# KiCad board ClockIOT.kicad_pcb (continued)
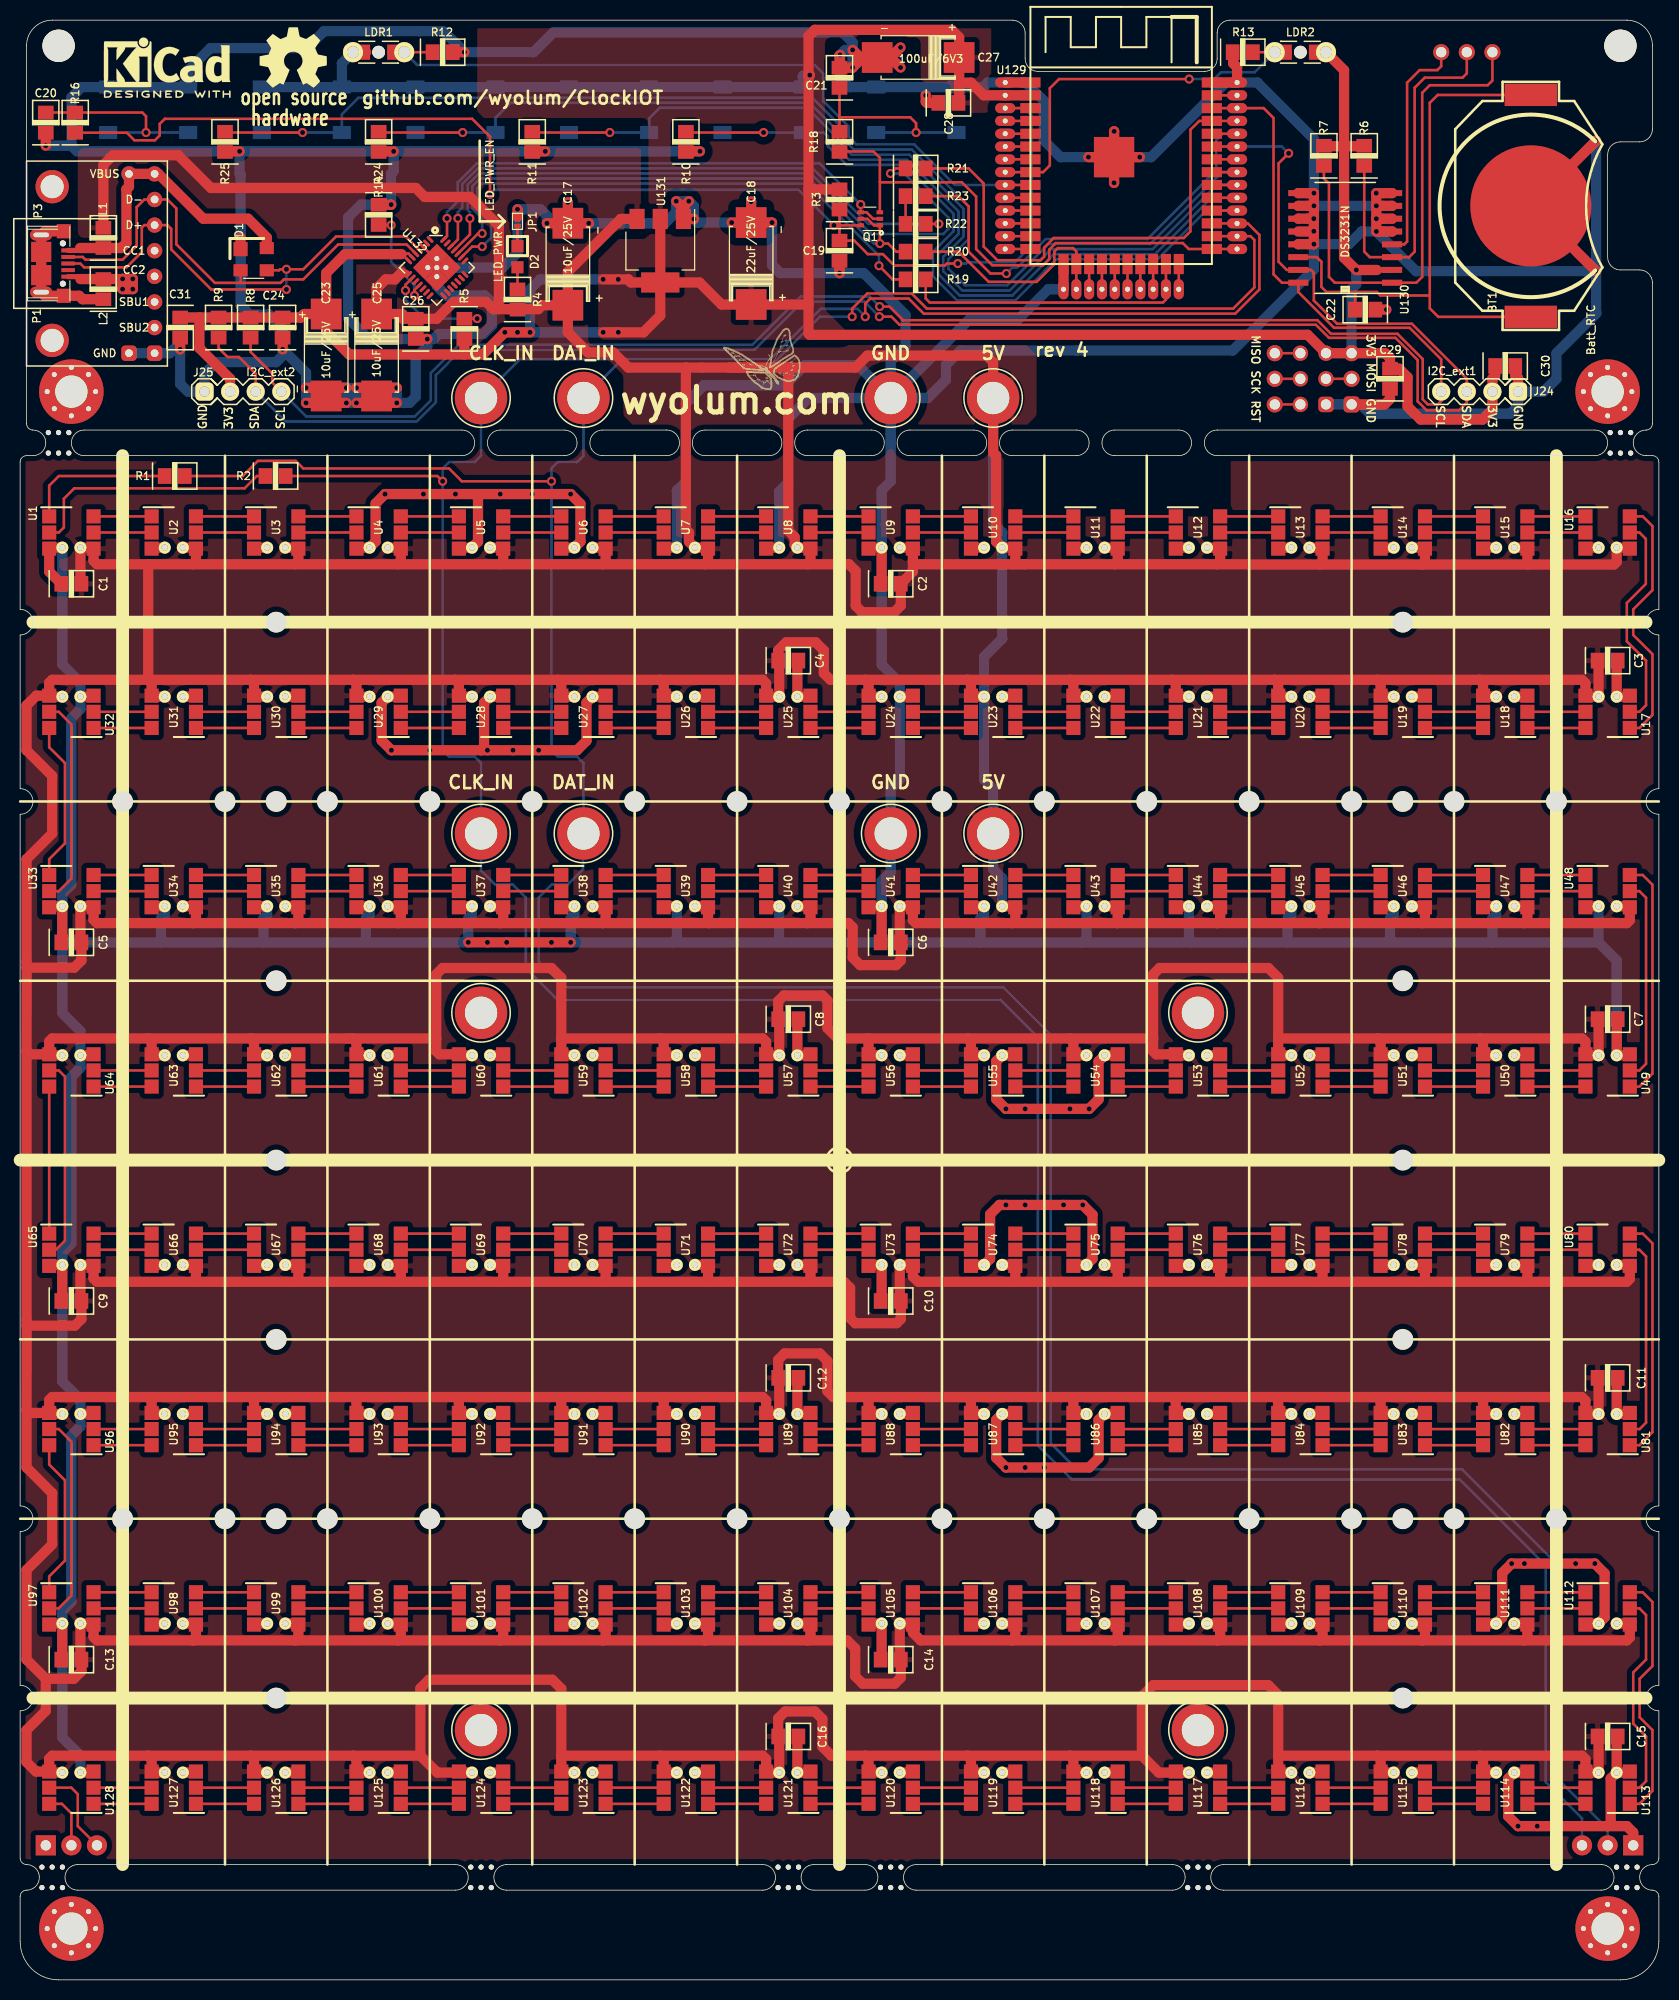
[diagram p0: board, top side]
## Placement (name value [footprint] x y rotation side) (continued)
U18  -  [APA102]  147.32 125.73 90 top
U19  -  [APA102]  137.16 125.73 90 top
U20  -  [APA102]  127 125.73 90 top
U21  -  [APA102]  116.84 125.73 90 top
U22  -  [APA102]  106.68 125.73 90 top
U23  -  [APA102]  96.52 125.73 90 top
U24  -  [APA102]  86.36 125.73 90 top
U25  -  [APA102]  76.2 125.73 90 top
U26  -  [APA102]  66.04 125.73 90 top
U27  -  [APA102]  55.88 125.73 90 top
U28  -  [APA102]  45.72 125.73 90 top
U29  -  [APA102]  35.56 125.73 90 top
U30  -  [APA102]  25.4 125.73 90 top
U31  -  [APA102]  15.24 125.73 90 top
U32  -  [APA102]  5.08 125.73 90 top
U33  -  [APA102]  5.08 107.95 270 top
U34  -  [APA102]  15.24 107.95 270 top
U35  -  [APA102]  25.4 107.95 270 top
U36  -  [APA102]  35.56 107.95 270 top
U37  -  [APA102]  45.72 107.95 270 top
U38  -  [APA102]  55.88 107.95 270 top
U39  -  [APA102]  66.04 107.95 270 top
U40  -  [APA102]  76.2 107.95 270 top
U41  -  [APA102]  86.36 107.95 270 top
U42  -  [APA102]  96.52 107.95 270 top
U43  -  [APA102]  106.68 107.95 270 top
U44  -  [APA102]  116.84 107.95 270 top
U45  -  [APA102]  127 107.95 270 top
U46  -  [APA102]  137.16 107.95 270 top
U47  -  [APA102]  147.32 107.95 270 top
U48  -  [APA102]  157.48 107.95 270 top
U49  -  [APA102]  157.48 90.17 90 top
U50  -  [APA102]  147.32 90.17 90 top
U51  -  [APA102]  137.16 90.17 90 top
U52  -  [APA102]  127 90.17 90 top
U53  -  [APA102]  116.84 90.17 90 top
U54  -  [APA102]  106.68 90.17 90 top
U55  -  [APA102]  96.52 90.17 90 top
U56  -  [APA102]  86.36 90.17 90 top
U57  -  [APA102]  76.2 90.17 90 top
U58  -  [APA102]  66.04 90.17 90 top
U59  -  [APA102]  55.88 90.17 90 top
U60  -  [APA102]  45.72 90.17 90 top
U61  -  [APA102]  35.56 90.17 90 top
U62  -  [APA102]  25.4 90.17 90 top
U63  -  [APA102]  15.24 90.17 90 top
U64  -  [APA102]  5.08 90.17 90 top
U65  -  [APA102]  5.08 72.39 270 top
U66  -  [APA102]  15.24 72.39 270 top
U67  -  [APA102]  25.4 72.39 270 top
U68  -  [APA102]  35.56 72.39 270 top
U69  -  [APA102]  45.72 72.39 270 top
U70  -  [APA102]  55.88 72.39 270 top
U71  -  [APA102]  66.04 72.39 270 top
U72  -  [APA102]  76.2 72.39 270 top
U73  -  [APA102]  86.36 72.39 270 top
U74  -  [APA102]  96.52 72.39 270 top
U75  -  [APA102]  106.68 72.39 270 top
U76  -  [APA102]  116.84 72.39 270 top
U77  -  [APA102]  127 72.39 270 top
U78  -  [APA102]  137.16 72.39 270 top
U79  -  [APA102]  147.32 72.39 270 top
U80  -  [APA102]  157.48 72.39 270 top
U81  -  [APA102]  157.48 54.61 90 top
U82  -  [APA102]  147.32 54.61 90 top
U83  -  [APA102]  137.16 54.61 90 top
U84  -  [APA102]  127 54.61 90 top
U85  -  [APA102]  116.84 54.61 90 top
U86  -  [APA102]  106.68 54.61 90 top
U87  -  [APA102]  96.52 54.61 90 top
U88  -  [APA102]  86.36 54.61 90 top
U89  -  [APA102]  76.2 54.61 90 top
U90  -  [APA102]  66.04 54.61 90 top
U91  -  [APA102]  55.88 54.61 90 top
U92  -  [APA102]  45.72 54.61 90 top
U93  -  [APA102]  35.56 54.61 90 top
U94  -  [APA102]  25.4 54.61 90 top
U95  -  [APA102]  15.24 54.61 90 top
U96  -  [APA102]  5.08 54.61 90 top
U97  -  [APA102]  5.08 36.83 270 top
U98  -  [APA102]  15.24 36.83 270 top
U99  -  [APA102]  25.4 36.83 270 top
U100  -  [APA102]  35.56 36.83 270 top
U101  -  [APA102]  45.72 36.83 270 top
U102  -  [APA102]  55.88 36.83 270 top
U103  -  [APA102]  66.04 36.83 270 top
U104  -  [APA102]  76.2 36.83 270 top
U105  -  [APA102]  86.36 36.83 270 top
U106  -  [APA102]  96.52 36.83 270 top
U107  -  [APA102]  106.68 36.83 270 top
U108  -  [APA102]  116.84 36.83 270 top
U109  -  [APA102]  127 36.83 270 top
U110  -  [APA102]  137.16 36.83 270 top
U111  -  [APA102]  147.32 36.83 270 top
U112  -  [APA102]  157.48 36.83 270 top
U113  -  [APA102]  157.48 19.05 90 top
U114  -  [APA102]  147.32 19.05 90 top
U115  -  [APA102]  137.16 19.05 90 top
U116  -  [APA102]  127 19.05 90 top
U117  -  [APA102]  116.84 19.05 90 top
U118  -  [APA102]  106.68 19.05 90 top
U119  -  [APA102]  96.52 19.05 90 top
U120  -  [APA102]  86.36 19.05 90 top
U121  -  [APA102]  76.2 19.05 90 top
U122  -  [APA102]  66.04 19.05 90 top
U123  -  [APA102]  55.88 19.05 90 top
U124  -  [APA102]  45.72 19.05 90 top
U125  -  [APA102]  35.56 19.05 90 top
U126  -  [APA102]  25.4 19.05 90 top
U127  -  [APA102]  15.24 19.05 90 top
U128  -  [APA102]  5.08 19.05 90 top
U129  ESP-wroom-32  [esp_wroom_32]  109.22 182.88 0 top
U130  DS3231N  [DS3231]  131.45 172.72 90 top
U131  1117-33  [SOT-223-3_TabPin2]  63.5 171.45 270 top
U132  CP2102N-A01-GQFN28  [QFN-28-1EP_5x5mm_Pitch0.5mm]  41.34 169.77 315 top

## Footprints (pads in the part's own frame, mm; a bottom-side part is the same pattern mirrored in y, then rotated)
1pin
  round 5.2 hole 3.2: 1(0,0)
APA102
  rect 1.4x1.4 smd: 1(-1.6,-2.2) 2(0,-2.2) 3(1.6,-2.2) 4(1.6,2.2) 5(0,2.2) 6(-1.6,2.2)
  round 1.2 hole 0.635: 3(1.5,-0.9) 4(1.5,0.9)
BreakOutPad
  round 1.6 hole 1.02: 1(0,0)
BreakOutPad#2
  rrect 1.6x1.6 hole 1.02: 1(0,0)
c_0805
  rect 1.55x1.35 smd: 1(0,1) 2(0,-1)
c_2917
  rect 3.048x3.048 smd: 1(4.064,0) 2(-4.064,0)
CR2032_SMD_SKST-2007D
  rect 2.2x5.2 smd: 1(-11,0) 1(11,0)
  round 12 smd: 2(0,0)
DS3231
  rect 0.599x1.999 smd: 1(-4.445,-4.651) 2(-3.175,-4.651) 3(-1.905,-4.651) 4(-0.635,-4.651) 5(0.635,-4.651) 6(1.905,-4.651) 7(3.175,-4.651) 8(4.445,-4.651) 9(4.445,4.651) 10(3.175,4.651) 11(1.905,4.651) 12(0.635,4.651) 13(-0.635,4.651) 14(-1.905,4.651) 15(-3.175,4.651) 16(-4.445,4.651)
esp_wroom_32
  oval 2x1 hole 0.5: 1(-11.5,5.25) 2(-11.5,3.98) 3(-11.5,2.71) 4(-11.5,1.44) 5(-11.5,0.17) 6(-11.5,-1.1) 7(-11.5,-2.37) 8(-11.5,-3.64) 9(-11.5,-4.91) 10(-11.5,-6.18) 11(-11.5,-7.45) 12(-11.5,-8.72) 13(-11.5,-9.99) 14(-11.5,-11.26) 25(11.5,-11.26) 26(11.5,-9.99) 27(11.5,-8.72) 28(11.5,-7.45) 29(11.5,-6.18) 30(11.5,-4.91) 31(11.5,-3.64) 32(11.5,-2.37) 33(11.5,-1.1) 34(11.5,0.17) 35(11.5,1.44) 36(11.5,2.71) 37(11.5,3.98) 38(11.5,5.25)
  rect 2x1 smd: 1(-9,5.25) 2(-9,3.98) 3(-9,2.71) 4(-9,1.44) 5(-9,0.17) 6(-9,-1.1) 7(-9,-2.37) 8(-9,-3.64) 9(-9,-4.91) 10(-9,-6.18) 11(-9,-7.45) 12(-9,-8.72) 13(-9,-9.99) 14(-9,-11.26) 25(9,-11.26) 26(9,-9.99) 27(9,-8.72) 28(9,-7.45) 29(9,-6.18) 30(9,-4.91) 31(9,-3.64) 32(9,-2.37) 33(9,-1.1) 34(9,0.17) 35(9,1.44) 36(9,2.71) 37(9,3.98) 38(9,5.25)
  rect 1x2 smd: 15(-5.715,-12.75) 16(-4.445,-12.75) 17(-3.175,-12.75) 18(-1.905,-12.75) 19(-0.635,-12.75) 20(0.635,-12.75) 21(1.905,-12.75) 22(3.175,-12.75) 23(4.445,-12.75) 24(5.715,-12.75)
  oval 1x2 hole 0.5: 15(-5.715,-15.25) 16(-4.445,-15.25) 17(-3.175,-15.25) 18(-1.905,-15.25) 19(-0.635,-15.25) 20(0.635,-15.25) 21(1.905,-15.25) 22(3.175,-15.25) 23(4.445,-15.25) 24(5.715,-15.25)
  rect 4x4 smd: 39(-0.7,-2.15)
Header_4x1
  round 1.8 hole 1.02: 1(-3.81,0) 2(-1.27,0) 3(1.27,0)
  rrect 1.8x1.8 hole 1.02: 4(3.81,0)
Header_ISP
  round 1.524 hole 1.016: 1(2.54,-1.27) 2(2.54,1.27) 3(0,-1.27) 4(0,1.27) 5(-2.54,-1.27)
  rrect 1.524x1.524 hole 1.016: 6(-2.54,1.27)
hole_baffle_2mm
  round 2.083 hole 2.032 unplated: (0,0)
LED-0805
  rect 1.199x1.199 smd: 1(-1.049,0) 2(1.049,0)
MountingHole_3.2mm_M3
  round 3.2 hole 3.2 unplated: (0,0)
MountingHole_3.2mm_M3_Pad_Via
  round 0.8 hole 0.5: 1(-2.4,0) 1(-1.697,1.697) 1(-1.697,-1.697) 1(0,2.4) 1(0,-2.4) 1(1.697,1.697) 1(1.697,-1.697) 1(2.4,0)
  round 6.4 hole 3.2: 1(0,0)
mouse-bite-2.54mm-slot_OSH
  round 0.508 hole 0.508 unplated: (-1.016,1.016) (-1.016,-1.016) (0,1.016) (0,-1.016) (1.016,1.016) (1.016,-1.016)
Pin_Header_Straight_1x03
  rect 2x2 hole 1.02: 1(-2.54,0)
  round 2 hole 1.02: 2(0,0) 3(2.54,0)
QFN-28-1EP_5x5mm_Pitch0.5mm
  oval 0.85x0.3 smd: 1(-2.45,1.5) 2(-2.45,1) 3(-2.45,0.5) 4(-2.45,0) 5(-2.45,-0.5) 6(-2.45,-1) 7(-2.45,-1.5) 15(2.45,-1.5) 16(2.45,-1) 17(2.45,-0.5) 18(2.45,0) 19(2.45,0.5) 20(2.45,1) 21(2.45,1.5)
  oval 0.3x0.85 smd: 8(-1.5,-2.45) 9(-1,-2.45) 10(-0.5,-2.45) 11(0,-2.45) 12(0.5,-2.45) 13(1,-2.45) 14(1.5,-2.45) 22(1.5,2.45) 23(1,2.45) 24(0.5,2.45) 25(0,2.45) 26(-0.5,2.45) 27(-1,2.45) 28(-1.5,2.45)
  rect 1.675x1.675 smd: 29(-0.838,0.838) 29(-0.838,-0.838) 29(0.838,0.838) 29(0.838,-0.838)
  round 0.8 hole 0.5: 29(-0.635,0.635) 29(-0.635,-0.635) 29(0,0) 29(0.635,0.635) 29(0.635,-0.635)
R_0402
  rect 0.4x0.6 smd: 1(-0.45,0) 2(0.45,0)
r_0805
  rect 1.35x1.55 smd: 1(1,0) 2(-1,0)
r_0805_ldr_2
  round 1.27 hole 1.27 unplated: (0,0)
  rect 1.3x1.499 smd: 1(1.5,0) 2(-1.5,0)
  round 2 hole 1.2: 1(2.54,0) 2(-2.54,0)
SOT-143
  rect 1.4x1.4 smd: 1(-1,-1.3)
  rect 1.2x1.4 smd: 2(1.1,-1.3) 3(1.1,1.3) 4(-1.1,1.3)
SOT-223-3_TabPin2
  rect 2x1.5 smd: 1(-3.15,2.3) 2(-3.15,0) 3(-3.15,-2.3)
  rect 2x3.8 smd: 2(3.15,0)
SOT-363_SC-70-6
  rect 0.65x0.4 smd: 1(-0.95,0.65) 2(-0.95,0) 3(-0.95,-0.65) 4(0.95,-0.65) 5(0.95,0) 6(0.95,0.65)
SW_SMD_311020004
  rect 1.3x1.8 smd: 1(-2.25,3.975) 2(2.25,3.975) 3(-2.25,-3.975) 4(2.25,-3.975)
USB-C_bout
  round 1.524 hole 0.762: 1(8.89,-7.62) 2(8.89,-10.16) 3(6.35,-10.16) 4(3.81,-10.16) 5(1.27,-10.16) 6(-1.27,-10.16) 7(-3.81,-10.16) 8(-6.35,-10.16)
  rrect 1.524x1.524 hole 0.762: 9(-8.89,-10.16) 10(-8.89,-7.62)
  round 3.302 hole 2.286: 11(-7.62,0) 12(7.62,0)
USB_Micro-B_seeed-320010561
  round 0.6 hole 0.6 unplated: (-2,3.6) (2,3.6)
  rect 0.4x1.35 smd: 1(-1.3,4.125) 2(-0.65,4.125) 3(0,4.125) 4(0.65,4.125) 5(1.3,4.125)
  rect 1.4x1.4 smd: 6(-3.2,3.7) 6(3.2,3.7)
  oval 1.1x2.2 hole 0.45x1.55: 6(-2.835,1.45) 6(2.835,1.45)
  rect 2x2 smd: 6(-1.15,1.45) 6(1.15,1.45)

## Nets
/3V3: C18.1 C23.1 C24.1 C27.1 C28.1 C29.1 C30.2 C31.2 J18.1 J20.2 J24.3 J25.3 LDR1.1 LDR2.1 R3.1 R5.1 R6.1 R7.1 R8.1 R9.1 S1.1 S1.3 S2.1 S2.3 S5.1 S5.3 S6.1 S6.3 U129.2 U130.2 U131.2 U132.6 U132.7
/5V: C1.1 C2.1 C3.2 C4.2 C5.1 C6.1 C7.2 C8.2 C9.1 C10.1 C11.2 C12.2 C13.1 C14.1 C15.2 C16.2 C17.1 C25.1 C26.1 J7.1 J15.1 L1.1 R4.2 U1.4 U2.4 U3.4 U4.4 U5.4 U6.4 U7.4 U8.4 U9.4 U10.4 U11.4 U12.4 U13.4 U14.4 U15.4 U16.4 U17.4 U18.4 U19.4 U20.4 U21.4 U22.4 U23.4 U24.4 U25.4 U26.4 U27.4 U28.4 U29.4 U30.4 U31.4 U32.4 U33.4 U34.4 U35.4 U36.4 U37.4 U38.4 U39.4 U40.4 U41.4 U42.4 U43.4 U44.4 U45.4 U46.4 U47.4 U48.4 U49.4 U50.4 U51.4 U52.4 U53.4 U54.4 U55.4 U56.4 U57.4 U58.4 U59.4 U60.4 U61.4 U62.4 U63.4 U64.4 U65.4 U66.4 U67.4 U68.4 U69.4 U70.4 U71.4 U72.4 U73.4 U74.4 U75.4 U76.4 U77.4 U78.4 U79.4 U80.4 U81.4 U82.4 U83.4 U84.4 U85.4 U86.4 U87.4 U88.4 U89.4 U90.4 U91.4 U92.4 U93.4 U94.4 U95.4 U96.4 U97.4 U98.4 U99.4 U100.4 U101.4 U102.4 U103.4 U104.4 U105.4 U106.4 U107.4 U108.4 U109.4 U110.4 U111.4 U112.4 U113.4 U114.4 U115.4 U116.4 U117.4 U118.4 U119.4 U120.4 U121.4 U122.4 U123.4 U124.4 U125.4 U126.4 U127.4 U128.4 U131.3 U132.8
/esp_pwr_uart/VBUS: D1.4 L1.2 P1.1 P3.1 P3.2
GND: BT1.2 C1.2 C2.2 C3.1 C4.1 C5.2 C6.2 C7.1 C8.1 C9.2 C10.2 C11.1 C12.1 C13.2 C14.2 C15.1 C16.1 C17.2 C18.2 C19.2 C20.2 C21.1 C22.2 C23.2 C24.2 C25.2 C26.2 C27.2 C28.2 C29.2 C30.1 C31.1 D1.1 J8.1 J16.1 J20.6 J23.1 J24.4 J25.4 JP1.1 L2.1 P1.5 P2.1 P3.9 P3.10 P4.1 R10.2 R11.2 R12.1 R13.2 R14.2 R24.2 R25.2 S3.1 S3.3 S4.1 S4.3 U1.3 U2.3 U3.3 U4.3 U5.3 U6.3 U7.3 U8.3 U9.3 U10.3 U11.3 U12.3 U13.3 U14.3 U15.3 U16.3 U17.3 U18.3 U19.3 U20.3 U21.3 U22.3 U23.3 U24.3 U25.3 U26.3 U27.3 U28.3 U29.3 U30.3 U31.3 U32.3 U33.3 U34.3 U35.3 U36.3 U37.3 U38.3 U39.3 U40.3 U41.3 U42.3 U43.3 U44.3 U45.3 U46.3 U47.3 U48.3 U49.3 U50.3 U51.3 U52.3 U53.3 U54.3 U55.3 U56.3 U57.3 U58.3 U59.3 U60.3 U61.3 U62.3 U63.3 U64.3 U65.3 U66.3 U67.3 U68.3 U69.3 U70.3 U71.3 U72.3 U73.3 U74.3 U75.3 U76.3 U77.3 U78.3 U79.3 U80.3 U81.3 U82.3 U83.3 U84.3 U85.3 U86.3 U87.3 U88.3 U89.3 U90.3 U91.3 U92.3 U93.3 U94.3 U95.3 U96.3 U97.3 U98.3 U99.3 U100.3 U101.3 U102.3 U103.3 U104.3 U105.3 U106.3 U107.3 U108.3 U109.3 U110.3 U111.3 U112.3 U113.3 U114.3 U115.3 U116.3 U117.3 U118.3 U119.3 U120.3 U121.3 U122.3 U123.3 U124.3 U125.3 U126.3 U127.3 U128.3 U129.1 U129.15 U129.38 U129.39 U130.5 U130.6 U130.7 U130.8 U130.9 U130.10 U130.11 U130.12 U130.13 U131.1 U132.3 U132.29
/CI_A: R2.2 U1.2
/CI_B: U16.5 U17.2
/CI_C: U32.5 U33.2
/CI_D: U48.5 U49.2
/CI_E: U64.5 U65.2
/CI_F: U80.5 U81.2
/CI_G: U96.5 U97.2
/CI_H: U112.5 U113.2
/CLK: U129.20
/CLK_IN: J1.1 J9.1 P4.3 R2.1 U129.27
/CLK_OUT: P2.3 U128.5
/CMD: U129.19
/DAT_IN: J2.1 J10.1 P4.2 R1.1 U129.26
/DAT_OUT: P2.2 U128.6
/DI_A: R1.2 U1.1
/DI_B: U16.6 U17.1
/DI_C: U32.6 U33.1
/DI_D: U48.6 U49.1
/DI_E: U64.6 U65.1
/DI_F: U80.6 U81.1
/DI_G: U96.6 U97.1
/DI_H: U112.6 U113.1
/DTR: Q1.2 Q1.4 U132.28
/EN: C19.1 Q1.6 R3.2 R16.2 U129.3
/esp_pwr_uart/ACTIVE: R14.1 U132.11
/esp_pwr_uart/CTS: R19.2 U132.23
/esp_pwr_uart/DCD: U132.1
/esp_pwr_uart/DSR: U132.27
/esp_pwr_uart/RI: U132.2
/esp_pwr_uart/RSTb: R5.2 U132.9
/esp_pwr_uart/RTS: Q1.1 Q1.5 R20.2 U132.24
/esp_pwr_uart/RXD: R21.2 U132.25
/esp_pwr_uart/TXD: R22.2 R23.2
/esp_pwr_uart/USB_D+: D1.3 P1.3 P3.4 U132.4
/esp_pwr_uart/USB_D-: D1.2 P1.2 P3.3 U132.5
/IO0: Q1.3 R18.2 U129.25
/IO2: U129.24
/IO12: U129.14
/IO13: R20.1 U129.16
/IO14: U129.13
/IO15: R19.1 U129.23
/IO23: U129.37
/IO25: U129.10
/IO26: U129.11
/IO27: U129.12
/IO34: U129.6
/IO35: U129.7
/LDR1: LDR1.2 R12.2 U129.9
/LDR2: LDR2.2 R13.1 U129.8
/MISO: J17.1 J20.1
/MOSI: J20.4 J21.1
/NC: U129.32
/RST: J20.5 J22.1
/rtc_ds3231/32kHz: R7.2 TP3.1 U130.1
/rtc_ds3231/BAT: BT1.1 C22.1 U130.14
/rtc_ds3231/RESET: TP1.1 U130.4
/rtc_ds3231/SQR: R6.2 TP2.1 U130.3
/RXD0: R23.1 U129.34
/SCK: J19.1 J20.3
/SCL: J24.1 J25.1 R8.2 U129.36 U130.16
/SD2: U129.17
/SD3: U129.18
/SDA: J24.2 J25.2 R9.2 U129.33 U130.15
/SDI: U129.22
/SDO: U129.21
/SENSOR_VN: U129.5
/SENSOR_VP: U129.4
/SW_D: R24.1 S5.2 S5.4 U129.30
/SW_E: R10.1 S1.2 S1.4 U129.28
/SW_I: R11.1 S2.2 S2.4 U129.29
/SW_M: R25.1 S6.2 S6.4 U129.31
/TXD0: R21.1 U129.35
Net-(C20-Pad1): C20.1 R16.1 S3.2 S3.4
Net-(C21-Pad2): C21.2 R18.1 S4.2 S4.4
Net-(D2-Pad1): D2.1 R4.1
Net-(D2-Pad2): D2.2 JP1.2
Net-(L2-Pad2): L2.2 P1.6
Net-(P1-Pad4): P1.4
Net-(P3-Pad5): P3.5
Net-(P3-Pad6): P3.6
Net-(P3-Pad7): P3.7
Net-(P3-Pad8): P3.8
Net-(P3-Pad11): P3.11
Net-(P3-Pad12): P3.12
Net-(R22-Pad1): R22.1 U132.26
Net-(U1-Pad5): U1.5 U2.2
Net-(U1-Pad6): U1.6 U2.1
Net-(U2-Pad5): U2.5 U3.2
Net-(U2-Pad6): U2.6 U3.1
Net-(U3-Pad5): U3.5 U4.2
Net-(U3-Pad6): U3.6 U4.1
Net-(U4-Pad5): U4.5 U5.2
Net-(U4-Pad6): U4.6 U5.1
Net-(U5-Pad5): U5.5 U6.2
Net-(U5-Pad6): U5.6 U6.1
Net-(U6-Pad5): U6.5 U7.2
Net-(U6-Pad6): U6.6 U7.1
Net-(U7-Pad5): U7.5 U8.2
Net-(U7-Pad6): U7.6 U8.1
Net-(U8-Pad5): U8.5 U9.2
Net-(U8-Pad6): U8.6 U9.1
Net-(U10-Pad1): U9.6 U10.1
Net-(U10-Pad2): U9.5 U10.2
Net-(U10-Pad5): U10.5 U11.2
Net-(U10-Pad6): U10.6 U11.1
Net-(U11-Pad5): U11.5 U12.2
Net-(U11-Pad6): U11.6 U12.1
Net-(U12-Pad5): U12.5 U13.2
Net-(U12-Pad6): U12.6 U13.1
Net-(U13-Pad5): U13.5 U14.2
Net-(U13-Pad6): U13.6 U14.1
Net-(U14-Pad5): U14.5 U15.2
Net-(U14-Pad6): U14.6 U15.1
Net-(U15-Pad5): U15.5 U16.2
Net-(U15-Pad6): U15.6 U16.1
Net-(U17-Pad5): U17.5 U18.2
Net-(U17-Pad6): U17.6 U18.1
Net-(U18-Pad5): U18.5 U19.2
Net-(U18-Pad6): U18.6 U19.1
Net-(U19-Pad5): U19.5 U20.2
Net-(U19-Pad6): U19.6 U20.1
Net-(U20-Pad5): U20.5 U21.2
Net-(U20-Pad6): U20.6 U21.1
Net-(U21-Pad5): U21.5 U22.2
Net-(U21-Pad6): U21.6 U22.1
Net-(U22-Pad5): U22.5 U23.2
Net-(U22-Pad6): U22.6 U23.1
Net-(U23-Pad5): U23.5 U24.2
Net-(U23-Pad6): U23.6 U24.1
Net-(U24-Pad5): U24.5 U25.2
Net-(U24-Pad6): U24.6 U25.1
Net-(U25-Pad5): U25.5 U26.2
Net-(U25-Pad6): U25.6 U26.1
Net-(U26-Pad5): U26.5 U27.2
Net-(U26-Pad6): U26.6 U27.1
Net-(U27-Pad5): U27.5 U28.2
Net-(U27-Pad6): U27.6 U28.1
Net-(U28-Pad5): U28.5 U29.2
Net-(U28-Pad6): U28.6 U29.1
Net-(U29-Pad5): U29.5 U30.2
Net-(U29-Pad6): U29.6 U30.1
Net-(U30-Pad5): U30.5 U31.2
Net-(U30-Pad6): U30.6 U31.1
Net-(U31-Pad5): U31.5 U32.2
Net-(U31-Pad6): U31.6 U32.1
Net-(U33-Pad5): U33.5 U34.2
Net-(U33-Pad6): U33.6 U34.1
Net-(U34-Pad5): U34.5 U35.2
Net-(U34-Pad6): U34.6 U35.1
Net-(U35-Pad5): U35.5 U36.2
Net-(U35-Pad6): U35.6 U36.1
Net-(U36-Pad5): U36.5 U37.2
Net-(U36-Pad6): U36.6 U37.1
Net-(U37-Pad5): U37.5 U38.2
Net-(U37-Pad6): U37.6 U38.1
Net-(U38-Pad5): U38.5 U39.2
Net-(U38-Pad6): U38.6 U39.1
Net-(U39-Pad5): U39.5 U40.2
Net-(U39-Pad6): U39.6 U40.1
Net-(U40-Pad5): U40.5 U41.2
Net-(U40-Pad6): U40.6 U41.1
Net-(U41-Pad5): U41.5 U42.2
Net-(U41-Pad6): U41.6 U42.1
Net-(U42-Pad5): U42.5 U43.2
Net-(U42-Pad6): U42.6 U43.1
Net-(U43-Pad5): U43.5 U44.2
Net-(U43-Pad6): U43.6 U44.1
Net-(U44-Pad5): U44.5 U45.2
Net-(U44-Pad6): U44.6 U45.1
Net-(U45-Pad5): U45.5 U46.2
Net-(U45-Pad6): U45.6 U46.1
Net-(U46-Pad5): U46.5 U47.2
Net-(U46-Pad6): U46.6 U47.1
Net-(U47-Pad5): U47.5 U48.2
Net-(U47-Pad6): U47.6 U48.1
Net-(U49-Pad5): U49.5 U50.2
Net-(U49-Pad6): U49.6 U50.1
Net-(U50-Pad5): U50.5 U51.2
Net-(U50-Pad6): U50.6 U51.1
Net-(U51-Pad5): U51.5 U52.2
Net-(U51-Pad6): U51.6 U52.1
Net-(U52-Pad5): U52.5 U53.2
Net-(U52-Pad6): U52.6 U53.1
Net-(U53-Pad5): U53.5 U54.2
Net-(U53-Pad6): U53.6 U54.1
Net-(U54-Pad5): U54.5 U55.2
Net-(U54-Pad6): U54.6 U55.1
Net-(U55-Pad5): U55.5 U56.2
Net-(U55-Pad6): U55.6 U56.1
Net-(U56-Pad5): U56.5 U57.2
Net-(U56-Pad6): U56.6 U57.1
Net-(U57-Pad5): U57.5 U58.2
Net-(U57-Pad6): U57.6 U58.1
Net-(U58-Pad5): U58.5 U59.2
Net-(U58-Pad6): U58.6 U59.1
Net-(U59-Pad5): U59.5 U60.2
Net-(U59-Pad6): U59.6 U60.1
Net-(U60-Pad5): U60.5 U61.2
Net-(U60-Pad6): U60.6 U61.1
Net-(U61-Pad5): U61.5 U62.2
Net-(U61-Pad6): U61.6 U62.1
Net-(U62-Pad5): U62.5 U63.2
Net-(U62-Pad6): U62.6 U63.1
Net-(U63-Pad5): U63.5 U64.2
Net-(U63-Pad6): U63.6 U64.1
Net-(U65-Pad5): U65.5 U66.2
Net-(U65-Pad6): U65.6 U66.1
Net-(U66-Pad5): U66.5 U67.2
Net-(U66-Pad6): U66.6 U67.1
Net-(U67-Pad5): U67.5 U68.2
Net-(U67-Pad6): U67.6 U68.1
Net-(U68-Pad5): U68.5 U69.2
Net-(U68-Pad6): U68.6 U69.1
Net-(U69-Pad5): U69.5 U70.2
Net-(U69-Pad6): U69.6 U70.1
Net-(U70-Pad5): U70.5 U71.2
Net-(U70-Pad6): U70.6 U71.1
Net-(U71-Pad5): U71.5 U72.2
Net-(U71-Pad6): U71.6 U72.1
Net-(U72-Pad5): U72.5 U73.2
Net-(U72-Pad6): U72.6 U73.1
Net-(U73-Pad5): U73.5 U74.2
Net-(U73-Pad6): U73.6 U74.1
Net-(U74-Pad5): U74.5 U75.2
Net-(U74-Pad6): U74.6 U75.1
Net-(U75-Pad5): U75.5 U76.2
Net-(U75-Pad6): U75.6 U76.1
Net-(U76-Pad5): U76.5 U77.2
Net-(U76-Pad6): U76.6 U77.1
Net-(U77-Pad5): U77.5 U78.2
Net-(U77-Pad6): U77.6 U78.1
Net-(U78-Pad5): U78.5 U79.2
Net-(U78-Pad6): U78.6 U79.1
Net-(U79-Pad5): U79.5 U80.2
Net-(U79-Pad6): U79.6 U80.1
Net-(U81-Pad5): U81.5 U82.2
Net-(U81-Pad6): U81.6 U82.1
Net-(U82-Pad5): U82.5 U83.2
Net-(U82-Pad6): U82.6 U83.1
Net-(U83-Pad5): U83.5 U84.2
Net-(U83-Pad6): U83.6 U84.1
Net-(U84-Pad5): U84.5 U85.2
Net-(U84-Pad6): U84.6 U85.1
Net-(U85-Pad5): U85.5 U86.2
Net-(U85-Pad6): U85.6 U86.1
Net-(U86-Pad5): U86.5 U87.2
Net-(U86-Pad6): U86.6 U87.1
Net-(U87-Pad5): U87.5 U88.2
Net-(U87-Pad6): U87.6 U88.1
Net-(U88-Pad5): U88.5 U89.2
Net-(U88-Pad6): U88.6 U89.1
Net-(U89-Pad5): U89.5 U90.2
Net-(U89-Pad6): U89.6 U90.1
Net-(U90-Pad5): U90.5 U91.2
Net-(U90-Pad6): U90.6 U91.1
Net-(U91-Pad5): U91.5 U92.2
Net-(U91-Pad6): U91.6 U92.1
Net-(U92-Pad5): U92.5 U93.2
Net-(U92-Pad6): U92.6 U93.1
Net-(U93-Pad5): U93.5 U94.2
Net-(U93-Pad6): U93.6 U94.1
Net-(U94-Pad5): U94.5 U95.2
Net-(U94-Pad6): U94.6 U95.1
Net-(U95-Pad5): U95.5 U96.2
Net-(U95-Pad6): U95.6 U96.1
Net-(U97-Pad5): U97.5 U98.2
Net-(U97-Pad6): U97.6 U98.1
Net-(U98-Pad5): U98.5 U99.2
Net-(U98-Pad6): U98.6 U99.1
Net-(U100-Pad1): U99.6 U100.1
Net-(U100-Pad2): U99.5 U100.2
Net-(U100-Pad5): U100.5 U101.2
Net-(U100-Pad6): U100.6 U101.1
Net-(U101-Pad5): U101.5 U102.2
Net-(U101-Pad6): U101.6 U102.1
Net-(U102-Pad5): U102.5 U103.2
Net-(U102-Pad6): U102.6 U103.1
Net-(U103-Pad5): U103.5 U104.2
Net-(U103-Pad6): U103.6 U104.1
Net-(U104-Pad5): U104.5 U105.2
Net-(U104-Pad6): U104.6 U105.1
Net-(U105-Pad5): U105.5 U106.2
Net-(U105-Pad6): U105.6 U106.1
Net-(U106-Pad5): U106.5 U107.2
Net-(U106-Pad6): U106.6 U107.1
Net-(U107-Pad5): U107.5 U108.2
Net-(U107-Pad6): U107.6 U108.1
Net-(U108-Pad5): U108.5 U109.2
Net-(U108-Pad6): U108.6 U109.1
Net-(U109-Pad5): U109.5 U110.2
Net-(U109-Pad6): U109.6 U110.1
Net-(U110-Pad5): U110.5 U111.2
Net-(U110-Pad6): U110.6 U111.1
Net-(U111-Pad5): U111.5 U112.2
Net-(U111-Pad6): U111.6 U112.1
Net-(U113-Pad5): U113.5 U114.2
Net-(U113-Pad6): U113.6 U114.1
Net-(U114-Pad5): U114.5 U115.2
Net-(U114-Pad6): U114.6 U115.1
Net-(U115-Pad5): U115.5 U116.2
Net-(U115-Pad6): U115.6 U116.1
Net-(U116-Pad5): U116.5 U117.2
Net-(U116-Pad6): U116.6 U117.1
Net-(U117-Pad5): U117.5 U118.2
Net-(U117-Pad6): U117.6 U118.1
Net-(U118-Pad5): U118.5 U119.2
Net-(U118-Pad6): U118.6 U119.1
Net-(U119-Pad5): U119.5 U120.2
Net-(U119-Pad6): U119.6 U120.1
Net-(U120-Pad5): U120.5 U121.2
Net-(U120-Pad6): U120.6 U121.1
Net-(U121-Pad5): U121.5 U122.2
Net-(U121-Pad6): U121.6 U122.1
Net-(U122-Pad5): U122.5 U123.2
Net-(U122-Pad6): U122.6 U123.1
Net-(U123-Pad5): U123.5 U124.2
Net-(U123-Pad6): U123.6 U124.1
Net-(U124-Pad5): U124.5 U125.2
Net-(U124-Pad6): U124.6 U125.1
Net-(U125-Pad5): U125.5 U126.2
Net-(U125-Pad6): U125.6 U126.1
Net-(U126-Pad5): U126.5 U127.2
Net-(U126-Pad6): U126.6 U127.1
Net-(U127-Pad5): U127.5 U128.2
Net-(U127-Pad6): U127.6 U128.1
Net-(U132-Pad10): U132.10
Net-(U132-Pad12): U132.12
Net-(U132-Pad13): U132.13
Net-(U132-Pad14): U132.14
Net-(U132-Pad15): U132.15
Net-(U132-Pad16): U132.16
Net-(U132-Pad17): U132.17
Net-(U132-Pad18): U132.18
Net-(U132-Pad19): U132.19
Net-(U132-Pad20): U132.20
Net-(U132-Pad21): U132.21
Net-(U132-Pad22): U132.22

Pads without a net: HB47 1; HB48 1; HB49 1; HB50 1; HB51 1; HB52 1; HB53 1; HB54 1

## Via types
v1: diameter 0.9, hole 0.5, Top to Bottom, 133 vias
